# KiCad board 1k-voices.kicad_pcb
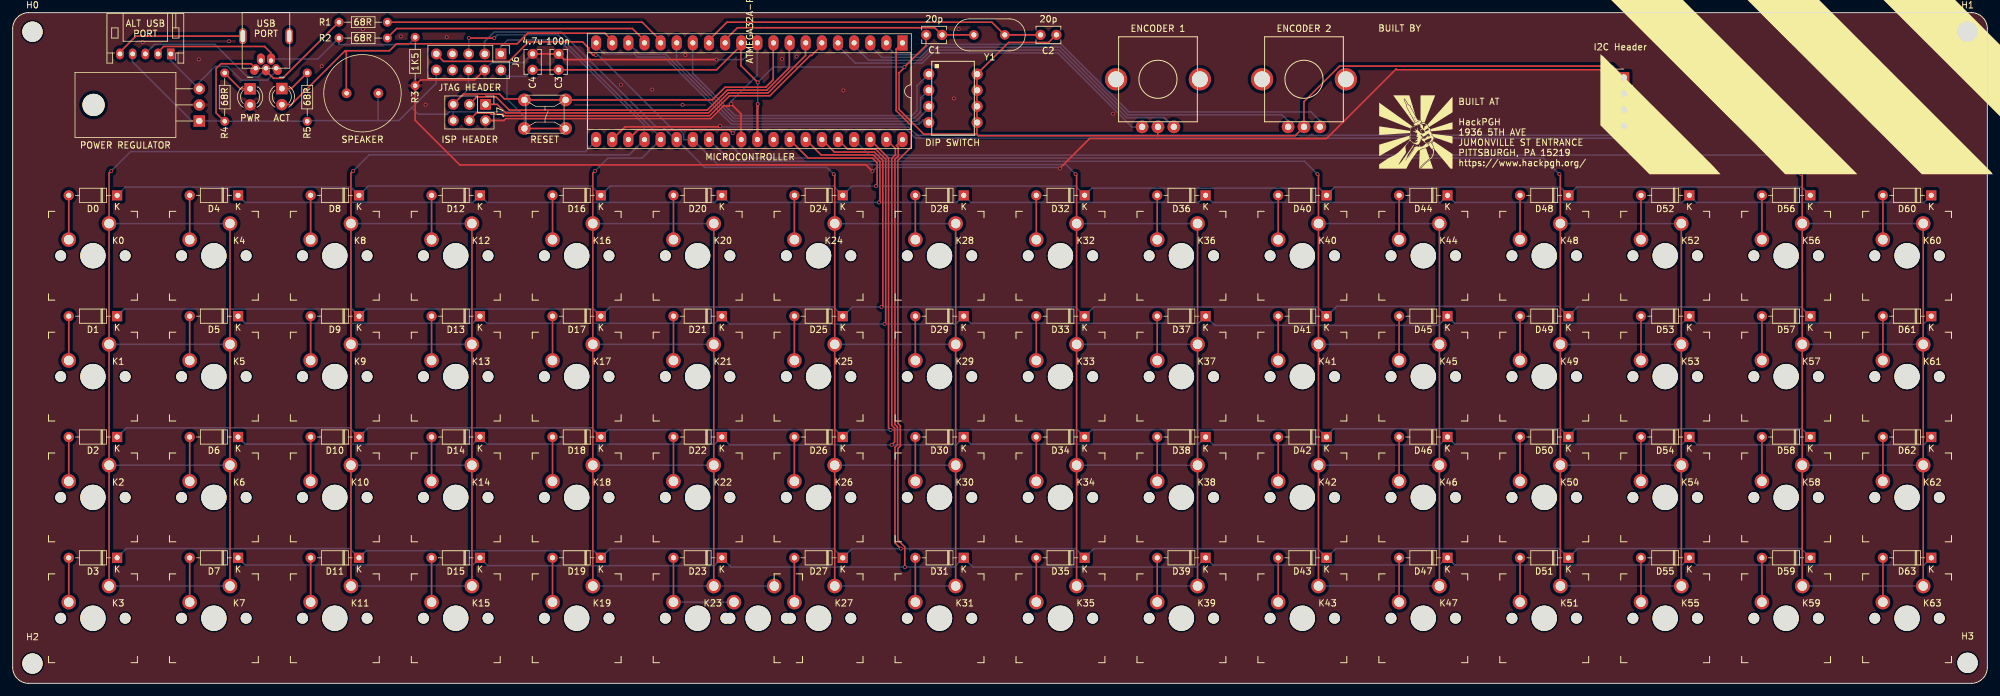
[diagram p0: board, top side]
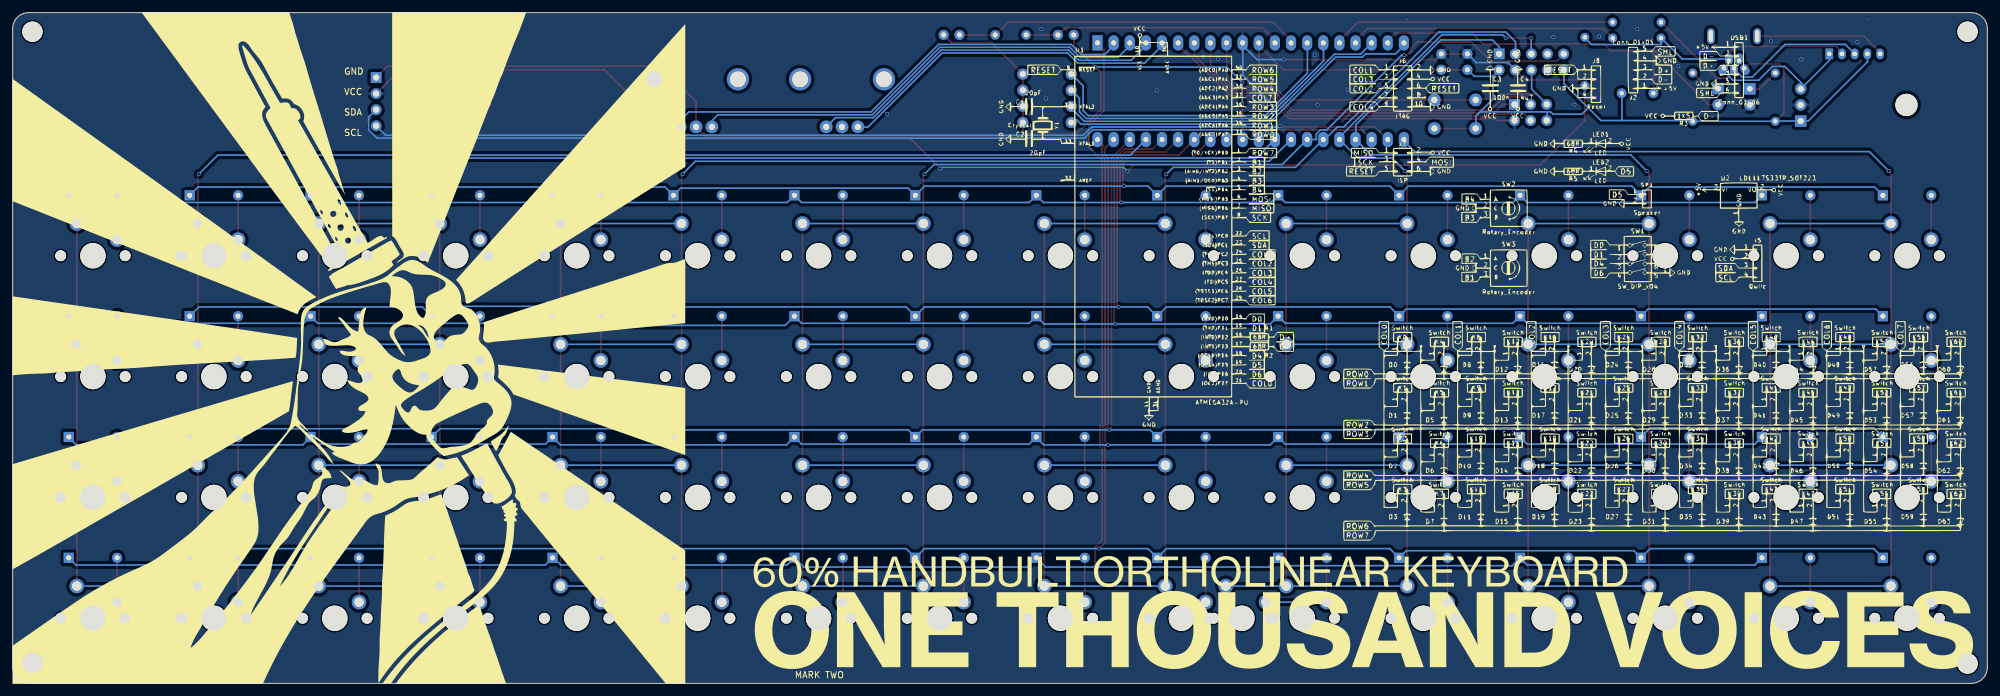
[diagram p1: board, bottom side, seen from below]

Outline 311.03 x 105.73 mm; copper layers: Top, Bottom. Coordinates in mm from the lower left corner of the outline.
Outline path: 0,103.23 0,2.5 arc(0.73,0.73) 2.5,0 308.53,0 arc(310.29,0.73) 311.03,2.5 311.03,103.23 arc(310.29,104.99) 308.53,105.73 2.5,105.73 arc(0.73,104.99) 0,103.23

## Placement (name value [footprint] x y rotation side)
C1  20pF  [C_Disc_D3.8mm_W2.6mm_P2.50mm]  146.39 102.23 180 top
C2  20pF  [C_Disc_D3.8mm_W2.6mm_P2.50mm]  161.89 102.23 0 top
C3  100n  [C_Disc_D3.8mm_W2.6mm_P2.50mm]  85.99 96.73 90 top
C4  4u7  [C_Disc_D3.8mm_W2.6mm_P2.50mm]  81.89 96.73 90 top
D0  D  [D_DO-35_SOD27_P7.62mm_Horizontal]  16.45 76.93 180 top
D1  D  [D_DO-35_SOD27_P7.62mm_Horizontal]  16.45 57.88 180 top
D2  D  [D_DO-35_SOD27_P7.62mm_Horizontal]  16.45 38.83 180 top
D3  D  [D_DO-35_SOD27_P7.62mm_Horizontal]  16.45 19.78 180 top
D4  D  [D_DO-35_SOD27_P7.62mm_Horizontal]  35.5 76.93 180 top
D5  D  [D_DO-35_SOD27_P7.62mm_Horizontal]  35.5 57.88 180 top
D6  D  [D_DO-35_SOD27_P7.62mm_Horizontal]  35.5 38.83 180 top
D7  D  [D_DO-35_SOD27_P7.62mm_Horizontal]  35.5 19.78 180 top
D8  D  [D_DO-35_SOD27_P7.62mm_Horizontal]  54.55 76.93 180 top
D9  D  [D_DO-35_SOD27_P7.62mm_Horizontal]  54.55 57.88 180 top
D10  D  [D_DO-35_SOD27_P7.62mm_Horizontal]  54.55 38.83 180 top
D11  D  [D_DO-35_SOD27_P7.62mm_Horizontal]  54.55 19.78 180 top
D12  D  [D_DO-35_SOD27_P7.62mm_Horizontal]  73.6 76.93 180 top
D13  D  [D_DO-35_SOD27_P7.62mm_Horizontal]  73.6 57.88 180 top
D14  D  [D_DO-35_SOD27_P7.62mm_Horizontal]  73.6 38.83 180 top
D15  D  [D_DO-35_SOD27_P7.62mm_Horizontal]  73.6 19.78 180 top
D16  D  [D_DO-35_SOD27_P7.62mm_Horizontal]  92.65 76.93 180 top
D17  D  [D_DO-35_SOD27_P7.62mm_Horizontal]  92.65 57.88 180 top
D18  D  [D_DO-35_SOD27_P7.62mm_Horizontal]  92.65 38.83 180 top
D19  D  [D_DO-35_SOD27_P7.62mm_Horizontal]  92.65 19.78 180 top
D20  D  [D_DO-35_SOD27_P7.62mm_Horizontal]  111.7 76.93 180 top
D21  D  [D_DO-35_SOD27_P7.62mm_Horizontal]  111.7 57.88 180 top
D22  D  [D_DO-35_SOD27_P7.62mm_Horizontal]  111.7 38.83 180 top
D23  D  [D_DO-35_SOD27_P7.62mm_Horizontal]  111.7 19.78 180 top
D24  D  [D_DO-35_SOD27_P7.62mm_Horizontal]  130.75 76.93 180 top
D25  D  [D_DO-35_SOD27_P7.62mm_Horizontal]  130.75 57.88 180 top
D26  D  [D_DO-35_SOD27_P7.62mm_Horizontal]  130.75 38.83 180 top
D27  D  [D_DO-35_SOD27_P7.62mm_Horizontal]  130.75 19.78 180 top
D28  D  [D_DO-35_SOD27_P7.62mm_Horizontal]  149.8 76.93 180 top
D29  D  [D_DO-35_SOD27_P7.62mm_Horizontal]  149.8 57.88 180 top
D30  D  [D_DO-35_SOD27_P7.62mm_Horizontal]  149.8 38.83 180 top
D31  D  [D_DO-35_SOD27_P7.62mm_Horizontal]  149.8 19.78 180 top
D32  D  [D_DO-35_SOD27_P7.62mm_Horizontal]  168.85 76.93 180 top
D33  D  [D_DO-35_SOD27_P7.62mm_Horizontal]  168.85 57.88 180 top
D34  D  [D_DO-35_SOD27_P7.62mm_Horizontal]  168.85 38.83 180 top
D35  D  [D_DO-35_SOD27_P7.62mm_Horizontal]  168.85 19.78 180 top
D36  D  [D_DO-35_SOD27_P7.62mm_Horizontal]  187.9 76.93 180 top
D37  D  [D_DO-35_SOD27_P7.62mm_Horizontal]  187.9 57.88 180 top
D38  D  [D_DO-35_SOD27_P7.62mm_Horizontal]  187.9 38.83 180 top
D39  D  [D_DO-35_SOD27_P7.62mm_Horizontal]  187.9 19.78 180 top
D40  D  [D_DO-35_SOD27_P7.62mm_Horizontal]  206.95 76.93 180 top
D41  D  [D_DO-35_SOD27_P7.62mm_Horizontal]  206.95 57.88 180 top
D42  D  [D_DO-35_SOD27_P7.62mm_Horizontal]  206.95 38.83 180 top
D43  D  [D_DO-35_SOD27_P7.62mm_Horizontal]  206.95 19.78 180 top
D44  D  [D_DO-35_SOD27_P7.62mm_Horizontal]  226 76.93 180 top
D45  D  [D_DO-35_SOD27_P7.62mm_Horizontal]  226 57.88 180 top
D46  D  [D_DO-35_SOD27_P7.62mm_Horizontal]  226 38.83 180 top
D47  D  [D_DO-35_SOD27_P7.62mm_Horizontal]  226 19.78 180 top
D48  D  [D_DO-35_SOD27_P7.62mm_Horizontal]  245.05 76.93 180 top
D49  D  [D_DO-35_SOD27_P7.62mm_Horizontal]  245.05 57.88 180 top
D50  D  [D_DO-35_SOD27_P7.62mm_Horizontal]  245.05 38.83 180 top
D51  D  [D_DO-35_SOD27_P7.62mm_Horizontal]  245.05 19.78 180 top
D52  D  [D_DO-35_SOD27_P7.62mm_Horizontal]  264.1 76.93 180 top
D53  D  [D_DO-35_SOD27_P7.62mm_Horizontal]  264.1 57.88 180 top
D54  D  [D_DO-35_SOD27_P7.62mm_Horizontal]  264.1 38.83 180 top
D55  D  [D_DO-35_SOD27_P7.62mm_Horizontal]  264.1 19.78 180 top
D56  D  [D_DO-35_SOD27_P7.62mm_Horizontal]  283.15 76.93 180 top
D57  D  [D_DO-35_SOD27_P7.62mm_Horizontal]  283.15 57.88 180 top
D58  D  [D_DO-35_SOD27_P7.62mm_Horizontal]  283.15 38.83 180 top
D59  D  [D_DO-35_SOD27_P7.62mm_Horizontal]  283.15 19.78 180 top
D60  D  [D_DO-35_SOD27_P7.62mm_Horizontal]  302.2 76.93 180 top
D61  D  [D_DO-35_SOD27_P7.62mm_Horizontal]  302.2 57.88 180 top
D62  D  [D_DO-35_SOD27_P7.62mm_Horizontal]  302.2 38.83 180 top
D63  D  [D_DO-35_SOD27_P7.62mm_Horizontal]  302.2 19.78 180 top
G***  LOGO  [hackpgh]  221.01 86.87 0 top
G***#2  LOGO  [sweethaz]  321.6 97.54 270 top
G***#3  LOGO  [1kv]  156.5 52.07 180 bottom
H0  MountingHole  [MountingHole_3.2mm_M3]  3.11 102.73 0 top
H1  MountingHole  [MountingHole_3.2mm_M3]  307.92 102.73 0 top
H2  MountingHole  [MountingHole_3.2mm_M3]  3.11 3.11 0 top
H3  MountingHole  [MountingHole_3.2mm_M3]  307.92 3.23 0 top
J2  Conn_01x05  [JST_PH_S5B-PH-K_05x2.00mm_Angled]  24.89 99.23 180 top
J5  Qwiic  [PinHeader_1x04_P2.54mm_Vertical]  253.78 95.51 0 top
J6  JTAG  [Pin_Header_Straight_2x05_Pitch2.54mm]  76.89 99.23 270 top
J7  ISP  [Pin_Header_Straight_2x03_Pitch2.54mm]  74.47 91.27 270 top
J8  Reset  [1302-9303]  83.84 89.73 0 top
K0  Switch  [SW_MX]  12.64 67.41 0 top
K1  Switch  [SW_MX]  12.64 48.36 0 top
K2  Switch  [SW_MX]  12.64 29.31 0 top
K3  Switch  [SW_MX]  12.64 10.26 0 top
K4  Switch  [SW_MX]  31.69 67.41 0 top
K5  Switch  [SW_MX]  31.69 48.36 0 top
K6  Switch  [SW_MX]  31.69 29.31 0 top
K7  Switch  [SW_MX]  31.69 10.26 0 top
K8  Switch  [SW_MX]  50.74 67.41 0 top
K9  Switch  [SW_MX]  50.74 48.36 0 top
K10  Switch  [SW_MX]  50.74 29.31 0 top
K11  Switch  [SW_MX]  50.74 10.26 0 top
K12  Switch  [SW_MX]  69.79 67.41 0 top
K13  Switch  [SW_MX]  69.79 48.36 0 top
K14  Switch  [SW_MX]  69.79 29.31 0 top
K15  Switch  [SW_MX]  69.79 10.26 0 top
K16  Switch  [SW_MX]  88.84 67.41 0 top
K17  Switch  [SW_MX]  88.84 48.36 0 top
K18  Switch  [SW_MX]  88.84 29.31 0 top
K19  Switch  [SW_MX]  88.84 10.26 0 top
K20  Switch  [SW_MX]  107.89 67.41 0 top
K21  Switch  [SW_MX]  107.89 48.36 0 top
K22  Switch  [SW_MX]  107.89 29.31 0 top
K23  Switch  [SW_MX#2]  107.89 10.26 0 top
K24  Switch  [SW_MX]  126.94 67.41 0 top
K25  Switch  [SW_MX]  126.94 48.36 0 top
K26  Switch  [SW_MX]  126.94 29.31 0 top
K27  Switch  [SW_MX]  126.94 10.26 0 top
K28  Switch  [SW_MX]  145.99 67.41 0 top
K29  Switch  [SW_MX]  145.99 48.36 0 top
K30  Switch  [SW_MX]  145.99 29.31 0 top
K31  Switch  [SW_MX]  145.99 10.26 0 top
K32  Switch  [SW_MX]  165.04 67.41 0 top
K33  Switch  [SW_MX]  165.04 48.36 0 top
K34  Switch  [SW_MX]  165.04 29.31 0 top
K35  Switch  [SW_MX]  165.04 10.26 0 top
K36  Switch  [SW_MX]  184.09 67.41 0 top
K37  Switch  [SW_MX]  184.09 48.36 0 top
K38  Switch  [SW_MX]  184.09 29.31 0 top
K39  Switch  [SW_MX]  184.09 10.26 0 top
K40  Switch  [SW_MX]  203.14 67.41 0 top
K41  Switch  [SW_MX]  203.14 48.36 0 top
K42  Switch  [SW_MX]  203.14 29.31 0 top
K43  Switch  [SW_MX]  203.14 10.26 0 top
K44  Switch  [SW_MX]  222.19 67.41 0 top
K45  Switch  [SW_MX]  222.19 48.36 0 top
K46  Switch  [SW_MX]  222.19 29.31 0 top
K47  Switch  [SW_MX]  222.19 10.26 0 top
K48  Switch  [SW_MX]  241.24 67.41 0 top
K49  Switch  [SW_MX]  241.24 48.36 0 top
K50  Switch  [SW_MX]  241.24 29.31 0 top
K51  Switch  [SW_MX]  241.24 10.26 0 top
K52  Switch  [SW_MX]  260.29 67.41 0 top
K53  Switch  [SW_MX]  260.29 48.36 0 top
K54  Switch  [SW_MX]  260.29 29.31 0 top
K55  Switch  [SW_MX]  260.29 10.26 0 top
K56  Switch  [SW_MX]  279.34 67.41 0 top
K57  Switch  [SW_MX]  279.34 48.36 0 top
K58  Switch  [SW_MX]  279.34 29.31 0 top
K59  Switch  [SW_MX]  279.34 10.26 0 top
K60  Switch  [SW_MX]  298.39 67.41 0 top
K61  Switch  [SW_MX]  298.39 48.36 0 top
K62  Switch  [SW_MX]  298.39 29.31 0 top
K63  Switch  [SW_MX]  298.39 10.26 0 top
LED1  LED  [LED_D3.0mm]  37.39 93.73 270 top
LED2  LED  [LED_D3.0mm]  42.39 93.77 270 top
R1  68R  [R_Axial_DIN0204_L3.6mm_D1.6mm_P7.62mm_Horizontal]  51.39 104.23 0 top
R2  68R  [R_Axial_DIN0204_L3.6mm_D1.6mm_P7.62mm_Horizontal]  51.39 101.73 0 top
R3  1K5  [R_Axial_DIN0204_L3.6mm_D1.6mm_P7.62mm_Horizontal]  63.39 101.85 270 top
R4  68R  [R_Axial_DIN0204_L3.6mm_D1.6mm_P7.62mm_Horizontal]  33.39 96.23 270 top
R5  68R  [R_Axial_DIN0204_L3.6mm_D1.6mm_P7.62mm_Horizontal]  46.39 96.23 270 top
SP1  Speaker  [TP124005-2]  55.09 93.03 0 top
SW1  SW_DIP_x04  [210-4ES]  148.1 92.23 270 top
SW2  Rotary_Encoder  [PEC12R-4XXXF-NXXXX]  180.39 95.23 0 top
SW3  Rotary_Encoder  [PEC12R-4XXXF-NXXXX]  203.39 95.23 0 top
U1  ATMEGA32A-PU  [DIP-40_W15.24mm_Socket_LongPads]  140.15 100.97 270 top
U2  LD1117S33TR_SOT223  [TO-220-3_Horizontal]  29.39 88.65 90 top
USB1  Conn_01x06  [UB-M5BR-DM14-4D]  39.89 102.03 180 top
Y1  Crystal  [Crystal_HC49-U_Vertical]  151.39 102.23 0 top

## Library data of the parts
H0-H3 = -: Description: Mounting Hole without connection

## Footprints (pads in the part's own frame, mm; a bottom-side part is the same pattern mirrored in y, then rotated)
210-4ES
  round 1.75 hole 0.97: 1(-3.81,-3.81) 2(-1.27,-3.81) 3(1.27,-3.81) 4(3.81,-3.81) 5(3.81,3.81) 6(1.27,3.81) 7(-1.27,3.81) 8(-3.81,3.81)
1302-9303
  round 2 hole 1: 1(-3.25,2.25) 2(3.25,2.25) 3(-3.25,-2.25) 4(3.25,-2.25)
C_Disc_D3.8mm_W2.6mm_P2.50mm
  round 1.6 hole 0.8: 1(0,0) 2(2.5,0)
Crystal_HC49-U_Vertical
  round 1.5 hole 0.8: 1(0,0) 2(4.88,0)
D_DO-35_SOD27_P7.62mm_Horizontal
  rect 1.6x1.6 hole 0.8: 1(0,0)
  oval 1.6x1.6 hole 0.8: 2(7.62,0)
DIP-40_W15.24mm_Socket_LongPads
  rect 2.4x1.6 hole 0.8: 1(0,0)
  oval 2.4x1.6 hole 0.8: 2(0,-2.54) 3(0,-5.08) 4(0,-7.62) 5(0,-10.16) 6(0,-12.7) 7(0,-15.24) 8(0,-17.78) 9(0,-20.32) 10(0,-22.86) 11(0,-25.4) 12(0,-27.94) 13(0,-30.48) 14(0,-33.02) 15(0,-35.56) 16(0,-38.1) 17(0,-40.64) 18(0,-43.18) 19(0,-45.72) 20(0,-48.26) 21(15.24,-48.26) 22(15.24,-45.72) 23(15.24,-43.18) 24(15.24,-40.64) 25(15.24,-38.1) 26(15.24,-35.56) 27(15.24,-33.02) 28(15.24,-30.48) 29(15.24,-27.94) 30(15.24,-25.4) 31(15.24,-22.86) 32(15.24,-20.32) 33(15.24,-17.78) 34(15.24,-15.24) 35(15.24,-12.7) 36(15.24,-10.16) 37(15.24,-7.62) 38(15.24,-5.08) 39(15.24,-2.54) 40(15.24,0)
JST_PH_S5B-PH-K_05x2.00mm_Angled
  rect 1.2x1.7 hole 0.75: 1(0,0)
  oval 1.2x1.7 hole 0.75: 2(2,0) 3(4,0) 4(6,0) 5(8,0)
LED_D3.0mm
  rect 1.8x1.8 hole 0.9: 1(0,0)
  round 1.8 hole 0.9: 2(2.54,0)
MountingHole_3.2mm_M3
  round 3.2 hole 3.2 unplated: (0,0)
PEC12R-4XXXF-NXXXX
  round 3.5 hole 2.5: (-6.6,0) (6.6,0)
  round 2 hole 1: 1(-2.5,-7.5) 2(0,-7.5) 3(2.5,-7.5)
Pin_Header_Straight_2x03_Pitch2.54mm
  rect 1.7x1.7 hole 1: 1(0,0)
  oval 1.7x1.7 hole 1: 2(2.54,0) 3(0,-2.54) 4(2.54,-2.54) 5(0,-5.08) 6(2.54,-5.08)
Pin_Header_Straight_2x05_Pitch2.54mm
  rect 1.7x1.7 hole 1: 1(0,0)
  oval 1.7x1.7 hole 1: 2(2.54,0) 3(0,-2.54) 4(2.54,-2.54) 5(0,-5.08) 6(2.54,-5.08) 7(0,-7.62) 8(2.54,-7.62) 9(0,-10.16) 10(2.54,-10.16)
PinHeader_1x04_P2.54mm_Vertical
  rect 1.7x1.7 hole 1: 1(0,0)
  oval 1.7x1.7 hole 1: 2(0,-2.54) 3(0,-5.08) 4(0,-7.62)
R_Axial_DIN0204_L3.6mm_D1.6mm_P7.62mm_Horizontal
  round 1.4 hole 0.7: 1(0,0)
  oval 1.4x1.4 hole 0.7: 2(7.62,0)
SW_MX
  round 1.702 hole 1.702 unplated: (-5.08,0) (5.08,0)
  round 3.988 hole 3.988 unplated: (0,0)
  round 2.286 hole 1.499: 1(2.54,5.08) 2(-3.81,2.54)
SW_MX#2
  round 1.702 hole 1.702 unplated: (-5.08,0) (4.445,0) (5.08,0) (14.605,0)
  round 3.988 hole 3.988 unplated: (0,0) (9.525,0)
  round 2.286 hole 1.499: 1(2.54,5.08) 1(12.065,5.08) 2(-3.81,2.54) 2(5.715,2.54)
TO-220-3_Horizontal
  oval 3.5x3.5 hole 3.5 unplated: (2.54,16.66)
  rect 1.8x1.8 hole 1: 1(0,0)
  oval 1.8x1.8 hole 1: 2(2.54,0) 3(5.08,0)
TP124005-2
  round 1.524 hole 0.7: 1(-2.5,0) 2(2.5,0)
UB-M5BR-DM14-4D
  oval 1.75x1.25 hole 0.7 rot 120: 1(-1.6,5.05)
  oval 1.25x1.75 hole 0.7: 2(-0.8,3.85) 3(0,5.05) 4(0.8,3.85)
  oval 1.75x1.25 hole 0.7 rot 60: 5(1.6,5.05)
  oval 1.2x2.5 hole 0.7x1.9: 6(-3.65,0) 6(3.65,0)

## Nets
+5V: J2.1 U2.3 USB1.1
GND: C1.2 C2.2 C3.1 C4.1 J2.4 J5.1 J6.2 J6.10 J7.6 J8.3 J8.4 R4.2 R5.2 SP1.2 SW1.5 SW1.6 SW1.7 SW1.8 SW2.2 SW3.2 U1.11 U1.31 U2.1 USB1.5
VCC: C3.2 C4.2 J5.2 J6.4 J7.2 LED1.2 R3.2 U1.10 U1.30 U2.2
B1: SW3.3 U1.2
B2: SW3.1 U1.3
B3: SW2.3 U1.4
B4: SW2.1 U1.5
COL0: K0.1 K1.1 K2.1 K3.1 K4.1 K5.1 K6.1 K7.1 U1.21
COL1: J6.1 K8.1 K9.1 K10.1 K11.1 K12.1 K13.1 K14.1 K15.1 U1.24
COL2: J6.5 K16.1 K17.1 K18.1 K19.1 K20.1 K21.1 K22.1 K23.1 U1.25
COL3: J6.3 K24.1 K25.1 K26.1 K27.1 K28.1 K29.1 K30.1 K31.1 U1.26
COL4: J6.9 K32.1 K33.1 K34.1 K35.1 K36.1 K37.1 K38.1 K39.1 U1.27
COL5: K40.1 K41.1 K42.1 K43.1 K44.1 K45.1 K46.1 K47.1 U1.28
COL6: K48.1 K49.1 K50.1 K51.1 K52.1 K53.1 K54.1 K55.1 U1.29
COL7: K56.1 K57.1 K58.1 K59.1 K60.1 K61.1 K62.1 K63.1 U1.37
D0: SW1.1 U1.14
D1: SW1.2 U1.15
D4: SW1.3 U1.18
D5: LED2.2 SP1.1 U1.19
D6: SW1.4 U1.20
D+: J2.3 R1.1 USB1.3
D-: J2.2 R2.1 R3.1 USB1.2
MISO: J7.1 U1.7
MOSI: J7.4 U1.6
RESET: J6.6 J7.5 J8.1 J8.2 U1.9
ROW0: D0.1 D8.1 D16.1 D24.1 D32.1 D40.1 D48.1 D56.1 U1.33
ROW1: D4.1 D12.1 D20.1 D28.1 D36.1 D44.1 D52.1 D60.1 U1.34
ROW2: D1.1 D9.1 D17.1 D25.1 D33.1 D41.1 D49.1 D57.1 U1.35
ROW3: D5.1 D13.1 D21.1 D29.1 D37.1 D45.1 D53.1 D61.1 U1.36
ROW4: D2.1 D10.1 D18.1 D26.1 D34.1 D42.1 D50.1 D58.1 U1.38
ROW5: D6.1 D14.1 D22.1 D30.1 D38.1 D46.1 D54.1 D62.1 U1.39
ROW6: D3.1 D11.1 D19.1 D27.1 D35.1 D43.1 D51.1 D59.1 U1.40
ROW7: D7.1 D15.1 D23.1 D31.1 D39.1 D47.1 D55.1 D63.1 U1.1
SCK: J7.3 U1.8
SCL: J5.4 U1.22
SDA: J5.3 U1.23
SHL: J2.5 USB1.6
Net-(D0-A): D0.2 K0.2
Net-(D1-A): D1.2 K1.2
Net-(D2-A): D2.2 K2.2
Net-(D3-A): D3.2 K3.2
Net-(D4-A): D4.2 K4.2
Net-(D5-A): D5.2 K5.2
Net-(D6-A): D6.2 K6.2
Net-(D7-A): D7.2 K7.2
Net-(D8-A): D8.2 K8.2
Net-(D9-A): D9.2 K9.2
Net-(D10-A): D10.2 K10.2
Net-(D11-A): D11.2 K11.2
Net-(D12-A): D12.2 K12.2
Net-(D13-A): D13.2 K13.2
Net-(D14-A): D14.2 K14.2
Net-(D15-A): D15.2 K15.2
Net-(D16-A): D16.2 K16.2
Net-(D17-A): D17.2 K17.2
Net-(D18-A): D18.2 K18.2
Net-(D19-A): D19.2 K19.2
Net-(D20-A): D20.2 K20.2
Net-(D21-A): D21.2 K21.2
Net-(D22-A): D22.2 K22.2
Net-(D23-A): D23.2 K23.2
Net-(D24-A): D24.2 K24.2
Net-(D25-A): D25.2 K25.2
Net-(D26-A): D26.2 K26.2
Net-(D27-A): D27.2 K27.2
Net-(D28-A): D28.2 K28.2
Net-(D29-A): D29.2 K29.2
Net-(D30-A): D30.2 K30.2
Net-(D31-A): D31.2 K31.2
Net-(D32-A): D32.2 K32.2
Net-(D33-A): D33.2 K33.2
Net-(D34-A): D34.2 K34.2
Net-(D35-A): D35.2 K35.2
Net-(D36-A): D36.2 K36.2
Net-(D37-A): D37.2 K37.2
Net-(D38-A): D38.2 K38.2
Net-(D39-A): D39.2 K39.2
Net-(D40-A): D40.2 K40.2
Net-(D41-A): D41.2 K41.2
Net-(D42-A): D42.2 K42.2
Net-(D43-A): D43.2 K43.2
Net-(D44-A): D44.2 K44.2
Net-(D45-A): D45.2 K45.2
Net-(D46-A): D46.2 K46.2
Net-(D47-A): D47.2 K47.2
Net-(D48-A): D48.2 K48.2
Net-(D49-A): D49.2 K49.2
Net-(D50-A): D50.2 K50.2
Net-(D51-A): D51.2 K51.2
Net-(D52-A): D52.2 K52.2
Net-(D53-A): D53.2 K53.2
Net-(D54-A): D54.2 K54.2
Net-(D55-A): D55.2 K55.2
Net-(D56-A): D56.2 K56.2
Net-(D57-A): D57.2 K57.2
Net-(D58-A): D58.2 K58.2
Net-(D59-A): D59.2 K59.2
Net-(D60-A): D60.2 K60.2
Net-(D61-A): D61.2 K61.2
Net-(D62-A): D62.2 K62.2
Net-(D63-A): D63.2 K63.2
Net-(LED1-K): LED1.1 R4.1
Net-(LED2-K): LED2.1 R5.1
Net-(U1-(INT0)PD2): R1.2 U1.16
Net-(U1-(INT1)PD3): R2.2 U1.17
Net-(U1-XTAL1): C2.1 U1.13 Y1.2
Net-(U1-XTAL2): C1.1 U1.12 Y1.1

Pads without a net: J6 7 8; U1 32; USB1 4

## Via types
v1: diameter 0.6, hole 0.4, Top to Bottom, 46 vias

## Routing (per net, layer and track width the routed paths; a pad name or vN(x,y) marks a point on that pad's centre or on a via; arc(x,y) is an arc through that point)
+5V: length 23
  Bottom w0.25: 24.85,99.23 24.85,98.23 29.35,93.73 29.35,94.73 31.88,97.25 33.85,97.25 36.02,95.08 40.08,95.08 41.45,96.45
GND: length 361.9
  Top w0.25: 80.8,87.48 87.3,87.48 ; 151.85,86.58 151.87,86.6 151.87,96.04 156.86,101.03 163.15,101.03 164.35,102.23 ; 151.85,86.58 143.5,86.58 139.6,90.48 139.6,96.23 140.35,96.98 140.35,97.05 v1(140.45,97.15) 143.85,100.55 143.85,102.23 ; 151.85,86.58 152.1,86.33 180.35,86.33 ; 180.35,86.33 202,86.33 SW3.2 203.39,91.7 208.99,97.3 251.98,97.3 J5.1 ; 180.35,86.33 180.35,87.73 ; 117.35,85.83 v1(117.35,91.33) 117.25,91.23 117.25,85.73 ; 33.35,88.61 32.03,89.93 32.03,96.9 32.8,97.68 37.55,97.68 38.25,96.98 ; 81.85,96.73 110.87,96.73 114.71,100.57 ; 114.71,100.97 114.71,97.37 v1(117.35,94.73)
  Bottom w0.25: 57.55,93.03 57.55,88.73 ; 57.55,88.73 60.85,88.73 62.85,90.73 ; 57.55,88.73 46.35,88.73 ; 33.35,88.61 46.35,88.61 ; 81.85,96.73 80.81,95.69 77.85,95.69 ; 69.35,90.09 68.79,90.09 68.43,89.73 63.85,89.73 62.85,90.73 ; 69.35,90.09 79.89,90.09 80.25,89.73 ; 69.35,90.09 69.35,88.73 ; 62.85,90.73 66.69,94.57 66.69,96.69 ; 33.31,88.65 28.2,88.65 18.85,98 18.85,99.23 ; 80.25,89.73 80.55,89.43 80.55,87.53 ; 80.25,89.73 77.85,92.13 77.85,95.69 ; 77.85,95.69 76.85,96.69 ; v1(117.35,91.33) v1(117.35,94.73) 119.78,97.15 v1(140.45,97.15)
VCC: length 322.3
  Top w0.25: 81.85,99.23 85.95,99.23 86.85,98.33 v1(110.85,98.33) ; R3.2 63.39,88.75 70.42,81.73 134.42,81.73 v1(135.42,80.73) ; 74.43,88.73 77.35,88.73 77.65,89.03 109.95,89.03 111.95,91.03 112.85,91.03 v1(113.15,91.33) 114.71,89.77 114.71,85.73 ; 74.31,96.69 72.75,95.13 64.25,95.13 63.35,94.23 ; J5.2 250.02,96.73 218.04,96.73 217.92,96.85 206.95,85.88 169.63,85.88 v1(164.92,81.17)
  Bottom w0.25: 117.25,100.97 117.25,95.85 113.15,91.75 v1(113.15,91.33) ; 74.31,96.69 75.49,97.86 80.49,97.86 81.85,99.23 ; v1(164.92,81.17) 164.75,81.34 136.03,81.34 v1(135.42,80.73) ; 117.25,100.57 115.01,98.33 v1(110.85,98.33)
  vias: v1(20.48,101.09) v1(29.31,98.36) v1(34.07,101.22) v1(48.67,97.28) v1(55.15,103.13) v1(61.12,101.98) v1(65.03,91.22) v1(68.36,101.86) v1(95.79,94.36) v1(100.74,93.6) v1(105.51,91.22) v1(105.95,99.06) v1(121.19,98.43) v1(123.48,98.81) v1(130.84,93.47) v1(148.24,92.2) v1(149,103.13) v1(173.32,89.8)
B1: length 75.5
  Bottom w0.25: 137.57,100.57 139.01,99.13 142.71,99.13 144.31,100.73 165.18,100.73 175.83,90.08 204.5,90.08 205.85,88.73 205.85,87.73
B2: length 73
  Bottom w0.25: 200.85,87.73 200.85,88.73 199.95,89.63 175.65,89.63 165,100.28 144.5,100.28 142.9,98.68 136.92,98.68 135.03,100.57
B3: length 57.1
  Bottom w0.25: 132.49,100.57 134.83,98.23 143.08,98.23 144.68,99.83 164.81,99.83 175.46,89.18 181.4,89.18 182.9,87.68
B4: length 54.6
  Bottom w0.25: 129.95,100.57 132.74,97.78 143.27,97.78 144.87,99.38 164.62,99.38 176.32,87.68 177.9,87.68
COL0: length 277.3
  Top w0.25: v1(15.53,80.77) 15.18,80.42 K0.1 K3.1 ; K4.1 K7.1
  Bottom w0.25: K1.1 K5.1 ; K2.1 K6.1 ; K0.1 K4.1 ; v1(15.53,80.77) 18.58,83.82 90.2,83.82 91.89,85.51 ; K7.1 K3.1
COL1: length 278.9
  Top w0.25: K11.1 K8.1 53.28,80.42 v1(53.63,80.77) ; K12.1 K15.1
  Bottom w0.25: v1(53.63,80.77) 56.17,83.31 97.1,83.31 U1.24 ; K9.1 K13.1 ; 76.85,99.23 76.85,100.33 77.95,101.43 86.08,101.43 99.47,88.03 99.47,85.73 ; K8.1 K12.1 ; K11.1 K15.1 ; K10.1 K14.1
COL2: length 260.3
  Top w0.25: v1(91.73,80.77) 91.38,80.42 K16.1 K19.1 ; K20.1 K23.1 ; v1(75.85,101.73) v1(71.85,101.73)
  Bottom w0.25: K16.1 K20.1 ; K23.1 K23.1 K19.1 ; U1.25 99.13,82.81 93.76,82.81 v1(91.73,80.77) ; v1(71.85,101.73) 71.85,99.31 ; 102.01,86.13 85.91,102.23 76.35,102.23 v1(75.85,101.73) ; K18.1 K22.1 ; K17.1 K21.1
COL3: length 264.9
  Top w0.25: K28.1 K31.1 ; v1(129.32,80.27) 129.48,80.11 K24.1 K27.1
  Bottom w0.25: K31.1 K27.1 ; v1(129.32,80.27) 128.25,81.34 108.98,81.34 U1.26 ; K26.1 K30.1 ; K28.1 K24.1 ; 74.31,99.23 74.31,101.14 75.85,102.68 86.4,102.68 101.35,87.73 102.35,87.73 104.35,85.73 ; K25.1 K29.1
COL4: length 310.2
  Top w0.25: 66.69,99.23 67.87,98.05 78.18,98.05 81.25,101.13 89.75,101.13 90.73,100.15 90.73,99.73 91.43,99.03 v1(91.85,99.03) ; v1(167.42,80.27) 167.58,80.11 K32.1 K35.1 ; K36.1 K39.1
  Bottom w0.25: 107.09,85.73 105.68,85.73 105.68,86.59 105.02,87.25 104.09,87.25 104.06,87.22 92.28,99 92.28,99.03 v1(91.85,99.03) ; v1(167.42,80.27) 165.9,81.79 111.07,81.79 U1.27 ; K32.1 K36.1 ; K35.1 K39.1 ; K37.1 K33.1 ; K34.1 K38.1
COL5: length 296.5
  Top w0.25: v1(205.52,80.27) 205.68,80.11 K40.1 K43.1 ; K47.1 K44.1
  Bottom w0.25: U1.28 113.1,82.3 203.49,82.3 v1(205.52,80.27) ; K41.1 K45.1 ; K40.1 K44.1 ; K43.1 K47.1 ; K46.1 K42.1
COL6: length 332
  Top w0.25: v1(243.62,80.27) 243.78,80.11 K48.1 K51.1 ; K55.1 K52.1
  Bottom w0.25: K48.1 K52.1 ; U1.29 115.13,82.81 241.08,82.81 v1(243.62,80.27) ; K53.1 K49.1 ; K55.1 K51.1 ; K50.1 K54.1
COL7: length 349.8
  Top w0.25: K59.1 K56.1 281.88,80.11 v1(281.72,80.27) ; K63.1 K60.1
  Bottom w0.25: K62.1 K58.1 ; U1.37 134.98,83.28 278.71,83.28 v1(281.72,80.27) ; K57.1 K61.1 ; K60.1 K56.1 ; K59.1 K63.1
D0: length 49.7
  Bottom w0.25: 107.09,100.97 107.09,96.2 113.79,89.5 141.63,89.5 142.43,90.3 142.43,94.21 144.25,96.04
D1: length 49.4
  Bottom w0.25: 144.25,93.5 143,92.25 143,90.1 141.95,89.05 113.6,89.05 104.55,98.1 104.55,100.97
D4: length 53.3
  Bottom w0.25: 144.25,90.63 142.23,88.6 113.42,88.6 102.84,99.18 98.72,99.18 96.93,100.97
D5: length 64
  Top w0.25: 42.35,91.23 43.85,91.23 52.35,99.73 ; 52.35,99.73 52.55,99.53 52.55,93.03 ; 52.35,99.73 59.35,99.73 60.45,100.82 79.45,100.82 81.12,102.49 93.27,102.49 94.39,101.37
D6: length 58.1
  Bottom w0.25: 143.84,88.42 143.43,88.83 ; 143.43,88.83 142.75,88.15 113.23,88.15 102.65,98.73 98.45,98.73 97.95,99.23 93.19,99.23 91.85,100.57 ; 143.43,88.83 143.92,88.83
D+: length 37.9
  Top w0.25: 51.35,104.23 42.5,95.38 41.08,95.38 39.85,96.6
  Bottom w0.25: 39.85,96.83 38.6,95.58 37,95.58 31.85,100.73 22.35,100.73 20.85,99.23
D-: length 45.1
  Top w0.25: 22.85,99.48 23.78,100.4 39.68,100.4 40.65,99.43 40.65,98.18
  Bottom w0.25: 63.35,101.73 62.33,100.7 51.39,100.7 51.35,100.74 51.35,101.73 48.05,98.43 40.9,98.43
MISO: length 56.7
  Top w0.25: 124.87,100.97 124.87,98.97 118.98,93.08 112.73,93.08 109.58,89.93 77.65,89.93 76.31,91.27 74.43,91.27
MOSI: length 60.8
  Top w0.25: 127.41,100.57 125.84,98.99 125.62,98.99 119.25,92.63 112.92,92.63 109.77,89.48 77.47,89.48 77.22,89.73 75.35,89.73 75.18,89.9 73.03,89.9 71.85,88.73
RESET: length 64.8
  Top w0.25: 119.79,100.97 119.79,95.17 118.6,93.98 112.2,93.98 110.2,91.98 80.55,91.98 ; 80.4,92.13 77.45,92.13 76.68,92.9 70.99,92.9 69.35,91.27
  Bottom w0.25: 71.77,96.69 71.77,93.69 69.35,91.27
ROW0: length 293.5
  Top w0.25: v1(135.98,78.39) 136.16,78.56 136.16,82.06 135.41,82.81 125.29,82.81 U1.33
  Bottom w0.25: D0.1 17.75,78.23 53.25,78.23 D8.1 56,78.39 91.19,78.39 D16.1 94.1,78.39 129.29,78.39 D24.1 132.2,78.39 167.39,78.39 D32.1 169.97,78.06 205.82,78.06 D40.1 208.25,78.23 243.75,78.23 D48.1 246.35,78.23 281.85,78.23 D56.1
ROW1: length 292.9
  Top w0.25: U1.34 127.34,83.3 135.55,83.3 136.61,82.25 136.61,75.98 v1(136.43,75.81)
  Bottom w0.25: D4.1 36.62,75.81 72.47,75.81 D12.1 74.72,75.81 110.57,75.81 D20.1 112.82,75.81 148.67,75.81 D28.1 150.92,75.81 186.77,75.81 D36.1 189.02,75.81 224.87,75.81 D44.1 227.12,75.81 262.97,75.81 D52.1 265.22,75.81 301.07,75.81 D60.1
ROW2: length 308.7
  Top w0.25: U1.35 129.43,83.75 135.74,83.75 137.06,82.43 137.06,59.55 v1(136.84,59.34)
  Bottom w0.25: 130.81,57.88 132.27,59.34 v1(136.84,59.34) 167.39,59.34 D33.1 170.3,59.34 205.49,59.34 D41.1 ; D1.1 17.57,59.01 53.42,59.01 D9.1 55.67,59.01 91.52,59.01 D17.1 94.1,59.34 129.29,59.34 D25.1 ; D57.1 281.69,59.34 246.5,59.34 D49.1 243.49,59.44 208.57,59.44 207.01,57.88
ROW3: length 308.4
  Top w0.25: v1(137.33,56.64) 137.51,56.82 137.51,82.62 135.92,84.2 131.52,84.2 U1.36
  Bottom w0.25: D5.1 36.62,56.76 72.47,56.76 D13.1 74.72,56.76 110.57,56.76 D21.1 112.94,56.64 148.56,56.64 D29.1 150.92,56.76 186.77,56.76 D37.1 189.35,56.43 224.54,56.43 D45.1 227.12,56.76 262.97,56.76 D53.1 265.22,56.76 301.07,56.76 D61.1
ROW4: length 321
  Top w0.25: 135.07,85.69 137.96,82.81 137.96,40.29 v1(138.29,39.96)
  Bottom w0.25: 245.05,39.02 246.16,40.13 281.85,40.13 D58.1 ; D50.1 243.75,40.13 208.06,40.13 206.95,39.02 ; D2.1 17.9,40.29 53.09,40.29 D10.1 56,40.29 91.19,40.29 D18.1 93.77,39.96 129.62,39.96 D26.1 131.87,39.96 v1(138.29,39.96) 167.72,39.96 D34.1 169.97,39.96 205.82,39.96 D42.1
ROW5: length 322.8
  Top w0.25: U1.39 139.03,84.31 139.03,83.31 138.46,82.75 138.46,40.66 138.91,40.22 138.91,38.04 v1(138.46,37.59)
  Bottom w0.25: 149.8,38.77 148.62,37.59 112.94,37.59 D22.1 110.57,37.71 74.72,37.71 D14.1 72.47,37.71 36.62,37.71 D6.1 ; 302.2,38.77 301.02,37.59 265.34,37.59 D54.1 262.97,37.71 227.12,37.71 D46.1 224.76,37.59 189.14,37.59 D38.1 186.77,37.71 150.92,37.71 D30.1
ROW6: length 340.8
  Top w0.25: v1(139.89,21.24) 138.97,22.15 138.97,37.22 139.36,37.61 139.36,40.4 138.97,40.79 138.97,82.62 139.48,83.13 139.48,84.5 139.2,84.77 U1.40
  Bottom w0.25: D59.1 281.69,21.24 246.5,21.24 D51.1 243.59,21.24 208.4,21.24 D43.1 205.49,21.24 170.3,21.24 D35.1 167.39,21.24 v1(139.89,21.24) 132.2,21.24 D27.1 129.29,21.24 94.1,21.24 D19.1 91.52,20.91 55.67,20.91 D11.1 53.09,21.24 17.9,21.24 D3.1
ROW7: length 359.3
  Top w0.25: v1(140.53,18.33) 140.51,18.35 140.51,21.49 139.42,22.58 139.42,37.03 139.81,37.42 139.81,40.59 139.42,40.98 139.42,82.43 141.51,84.52 141.51,87.93 139.15,90.29 139.15,99.97 U1.1
  Bottom w0.25: D47.1 227.12,18.66 262.97,18.66 D55.1 265.22,18.66 301.07,18.66 D63.1 ; D7.1 36.62,18.66 72.47,18.66 D15.1 74.84,18.54 110.46,18.54 D23.1 113.15,18.33 v1(140.53,18.33) 148.34,18.33 D31.1 151.25,18.33 186.44,18.33 D39.1 189.02,18.66 224.68,18.66 225.81,19.78
SCK: length 58.5
  Top w0.25: 71.89,91.27 73.08,92.45 76.13,92.45 78.2,90.38 109.4,90.38 112.55,93.53 118.79,93.53 122.33,97.07 122.33,100.97
SCL: length 161.5
  Top w0.25: v1(111.42,87.88) 111.27,87.73 96.43,87.73 U1.22
  Bottom w0.25: J5.4 252.29,86.4 142.38,86.4 141.08,87.7 114.42,87.7 114.42,87.7 111.59,87.7 v1(111.42,87.88)
SDA: length 164.6
  Top w0.25: U1.23 98.5,87.25 112.89,87.25 v1(113.42,86.73)
  Bottom w0.25: v1(113.42,86.73) 113.94,87.25 140.89,87.25 142.19,85.95 149.42,85.95 ; 149.42,85.95 253.64,85.95 254.95,87.26 254.95,89.25 J5.3 ; 149.42,85.95 148.64,85.95
SHL: length 20.4
  Top w0.25: 36.2,102.03 19.4,102.03 16.85,99.48
Net-(D0-A): length 7
  Top w0.25: K0.2 D0.2
Net-(D1-A): length 7
  Top w0.25: K1.2 D1.2
Net-(D2-A): length 7
  Top w0.25: K2.2 D2.2
Net-(D3-A): length 7
  Top w0.25: K3.2 D3.2
Net-(D4-A): length 7
  Top w0.25: K4.2 D4.2
Net-(D5-A): length 7
  Top w0.25: K5.2 D5.2
Net-(D6-A): length 7
  Top w0.25: K6.2 D6.2
Net-(D7-A): length 7
  Top w0.25: K7.2 D7.2
Net-(D8-A): length 7
  Top w0.25: K8.2 D8.2
Net-(D9-A): length 7
  Top w0.25: K9.2 D9.2
Net-(D10-A): length 7
  Top w0.25: K10.2 D10.2
Net-(D11-A): length 7
  Top w0.25: K11.2 D11.2
Net-(D12-A): length 7
  Top w0.25: K12.2 D12.2
Net-(D13-A): length 7
  Top w0.25: K13.2 D13.2
Net-(D14-A): length 7
  Top w0.25: K14.2 D14.2
Net-(D15-A): length 7
  Top w0.25: K15.2 D15.2
Net-(D16-A): length 7
  Top w0.25: K16.2 D16.2
Net-(D17-A): length 7
  Top w0.25: K17.2 D17.2
Net-(D18-A): length 7
  Top w0.25: K18.2 D18.2
Net-(D19-A): length 7
  Top w0.25: K19.2 D19.2
Net-(D20-A): length 7
  Top w0.25: K20.2 D20.2
Net-(D21-A): length 7
  Top w0.25: K21.2 D21.2
Net-(D22-A): length 7
  Top w0.25: K22.2 D22.2
Net-(D23-A): length 16.5
  Top w0.25: K23.2 D23.2
  Bottom w0.25: K23.2 K23.2
Net-(D24-A): length 7
  Top w0.25: K24.2 D24.2
Net-(D25-A): length 7
  Top w0.25: K25.2 D25.2
Net-(D26-A): length 7
  Top w0.25: K26.2 D26.2
Net-(D27-A): length 7
  Top w0.25: K27.2 D27.2
Net-(D28-A): length 7
  Top w0.25: K28.2 D28.2
Net-(D29-A): length 7
  Top w0.25: K29.2 D29.2
Net-(D30-A): length 7
  Top w0.25: K30.2 D30.2
Net-(D31-A): length 7
  Top w0.25: K31.2 D31.2
Net-(D32-A): length 7
  Top w0.25: K32.2 D32.2
Net-(D33-A): length 7
  Top w0.25: K33.2 D33.2
Net-(D34-A): length 7
  Top w0.25: K34.2 D34.2
Net-(D35-A): length 7
  Top w0.25: K35.2 D35.2
Net-(D36-A): length 7
  Top w0.25: K36.2 D36.2
Net-(D37-A): length 7
  Top w0.25: K37.2 D37.2
Net-(D38-A): length 7
  Top w0.25: K38.2 D38.2
Net-(D39-A): length 7
  Top w0.25: K39.2 D39.2
Net-(D40-A): length 7
  Top w0.25: K40.2 D40.2
Net-(D41-A): length 7
  Top w0.25: K41.2 D41.2
Net-(D42-A): length 7
  Top w0.25: K42.2 D42.2
Net-(D43-A): length 7
  Top w0.25: K43.2 D43.2
Net-(D44-A): length 7
  Top w0.25: K44.2 D44.2
Net-(D45-A): length 7
  Top w0.25: K45.2 D45.2
Net-(D46-A): length 7
  Top w0.25: K46.2 D46.2
Net-(D47-A): length 7
  Top w0.25: K47.2 D47.2
Net-(D48-A): length 7
  Top w0.25: K48.2 D48.2
Net-(D49-A): length 7
  Top w0.25: K49.2 D49.2
Net-(D50-A): length 7
  Top w0.25: K50.2 D50.2
Net-(D51-A): length 7
  Top w0.25: K51.2 D51.2
Net-(D52-A): length 7
  Top w0.25: K52.2 D52.2
Net-(D53-A): length 7
  Top w0.25: K53.2 D53.2
Net-(D54-A): length 7
  Top w0.25: K54.2 D54.2
Net-(D55-A): length 7
  Top w0.25: K55.2 D55.2
Net-(D56-A): length 7
  Top w0.25: K56.2 D56.2
Net-(D57-A): length 7
  Top w0.25: K57.2 D57.2
Net-(D58-A): length 7
  Top w0.25: K58.2 D58.2
Net-(D59-A): length 7
  Top w0.25: K59.2 D59.2
Net-(D60-A): length 7
  Top w0.25: K60.2 D60.2
Net-(D61-A): length 7
  Top w0.25: K61.2 D61.2
Net-(D62-A): length 7
  Top w0.25: K62.2 D62.2
Net-(D63-A): length 7
  Top w0.25: K63.2 D63.2
Net-(LED1-K): length 5
  Top w0.25: 33.35,96.23 35.85,93.73 37.35,93.73
Net-(LED2-K): length 5
  Top w0.25: 46.35,96.23 43.89,93.77 42.35,93.77
Net-(U1-(INT0)PD2): length 44.2
  Top w0.25: 102.01,101.37 99.15,104.23 58.97,104.23
Net-(U1-(INT1)PD3): length 41.9
  Top w0.25: 99.47,101.37 97.61,103.23 60.47,103.23 58.97,101.73
Net-(U1-XTAL1): length 54.2
  Top w0.25: 161.85,102.23 156.23,102.23 154.23,104.23 112.49,104.23 109.63,101.37
Net-(U1-XTAL2): length 40.5
  Top w0.25: 112.17,101.37 114.16,103.35 145.23,103.35 146.35,102.23 151.35,102.23

## Copper pours and planes (outline as drawn; the poured copper is in the pictures)
VCC on Top, Bottom: 312.68,-1.65 -1.65,-1.65 -1.65,107.89 312.68,107.89

## Text on the board
B.Silkscreen: MARK TWO | GND / VCC / SDA / SCL
F.Silkscreen: BUILT BY | BUILT AT / HackPGH / 1936 5TH AVE / JUMONVILLE ST ENTRANCE / PITTSBURGH, PA 15219 / https://www.hackpgh.org/ | I2C Header | POWER REGULATOR | ALT USB / PORT | - | PWR | USB / PORT | ACT | SPEAKER | 68R | JTAG HEADER | ISP HEADER | 4.7u | RESET | 100n | MICROCONTROLLER | 20p | DIP SWITCH | ENCODER 1 | ENCODER 2 | 1K5
